# Altium PCB 2019.07.17.master.PcbDoc (part 6 of 6) (continued)
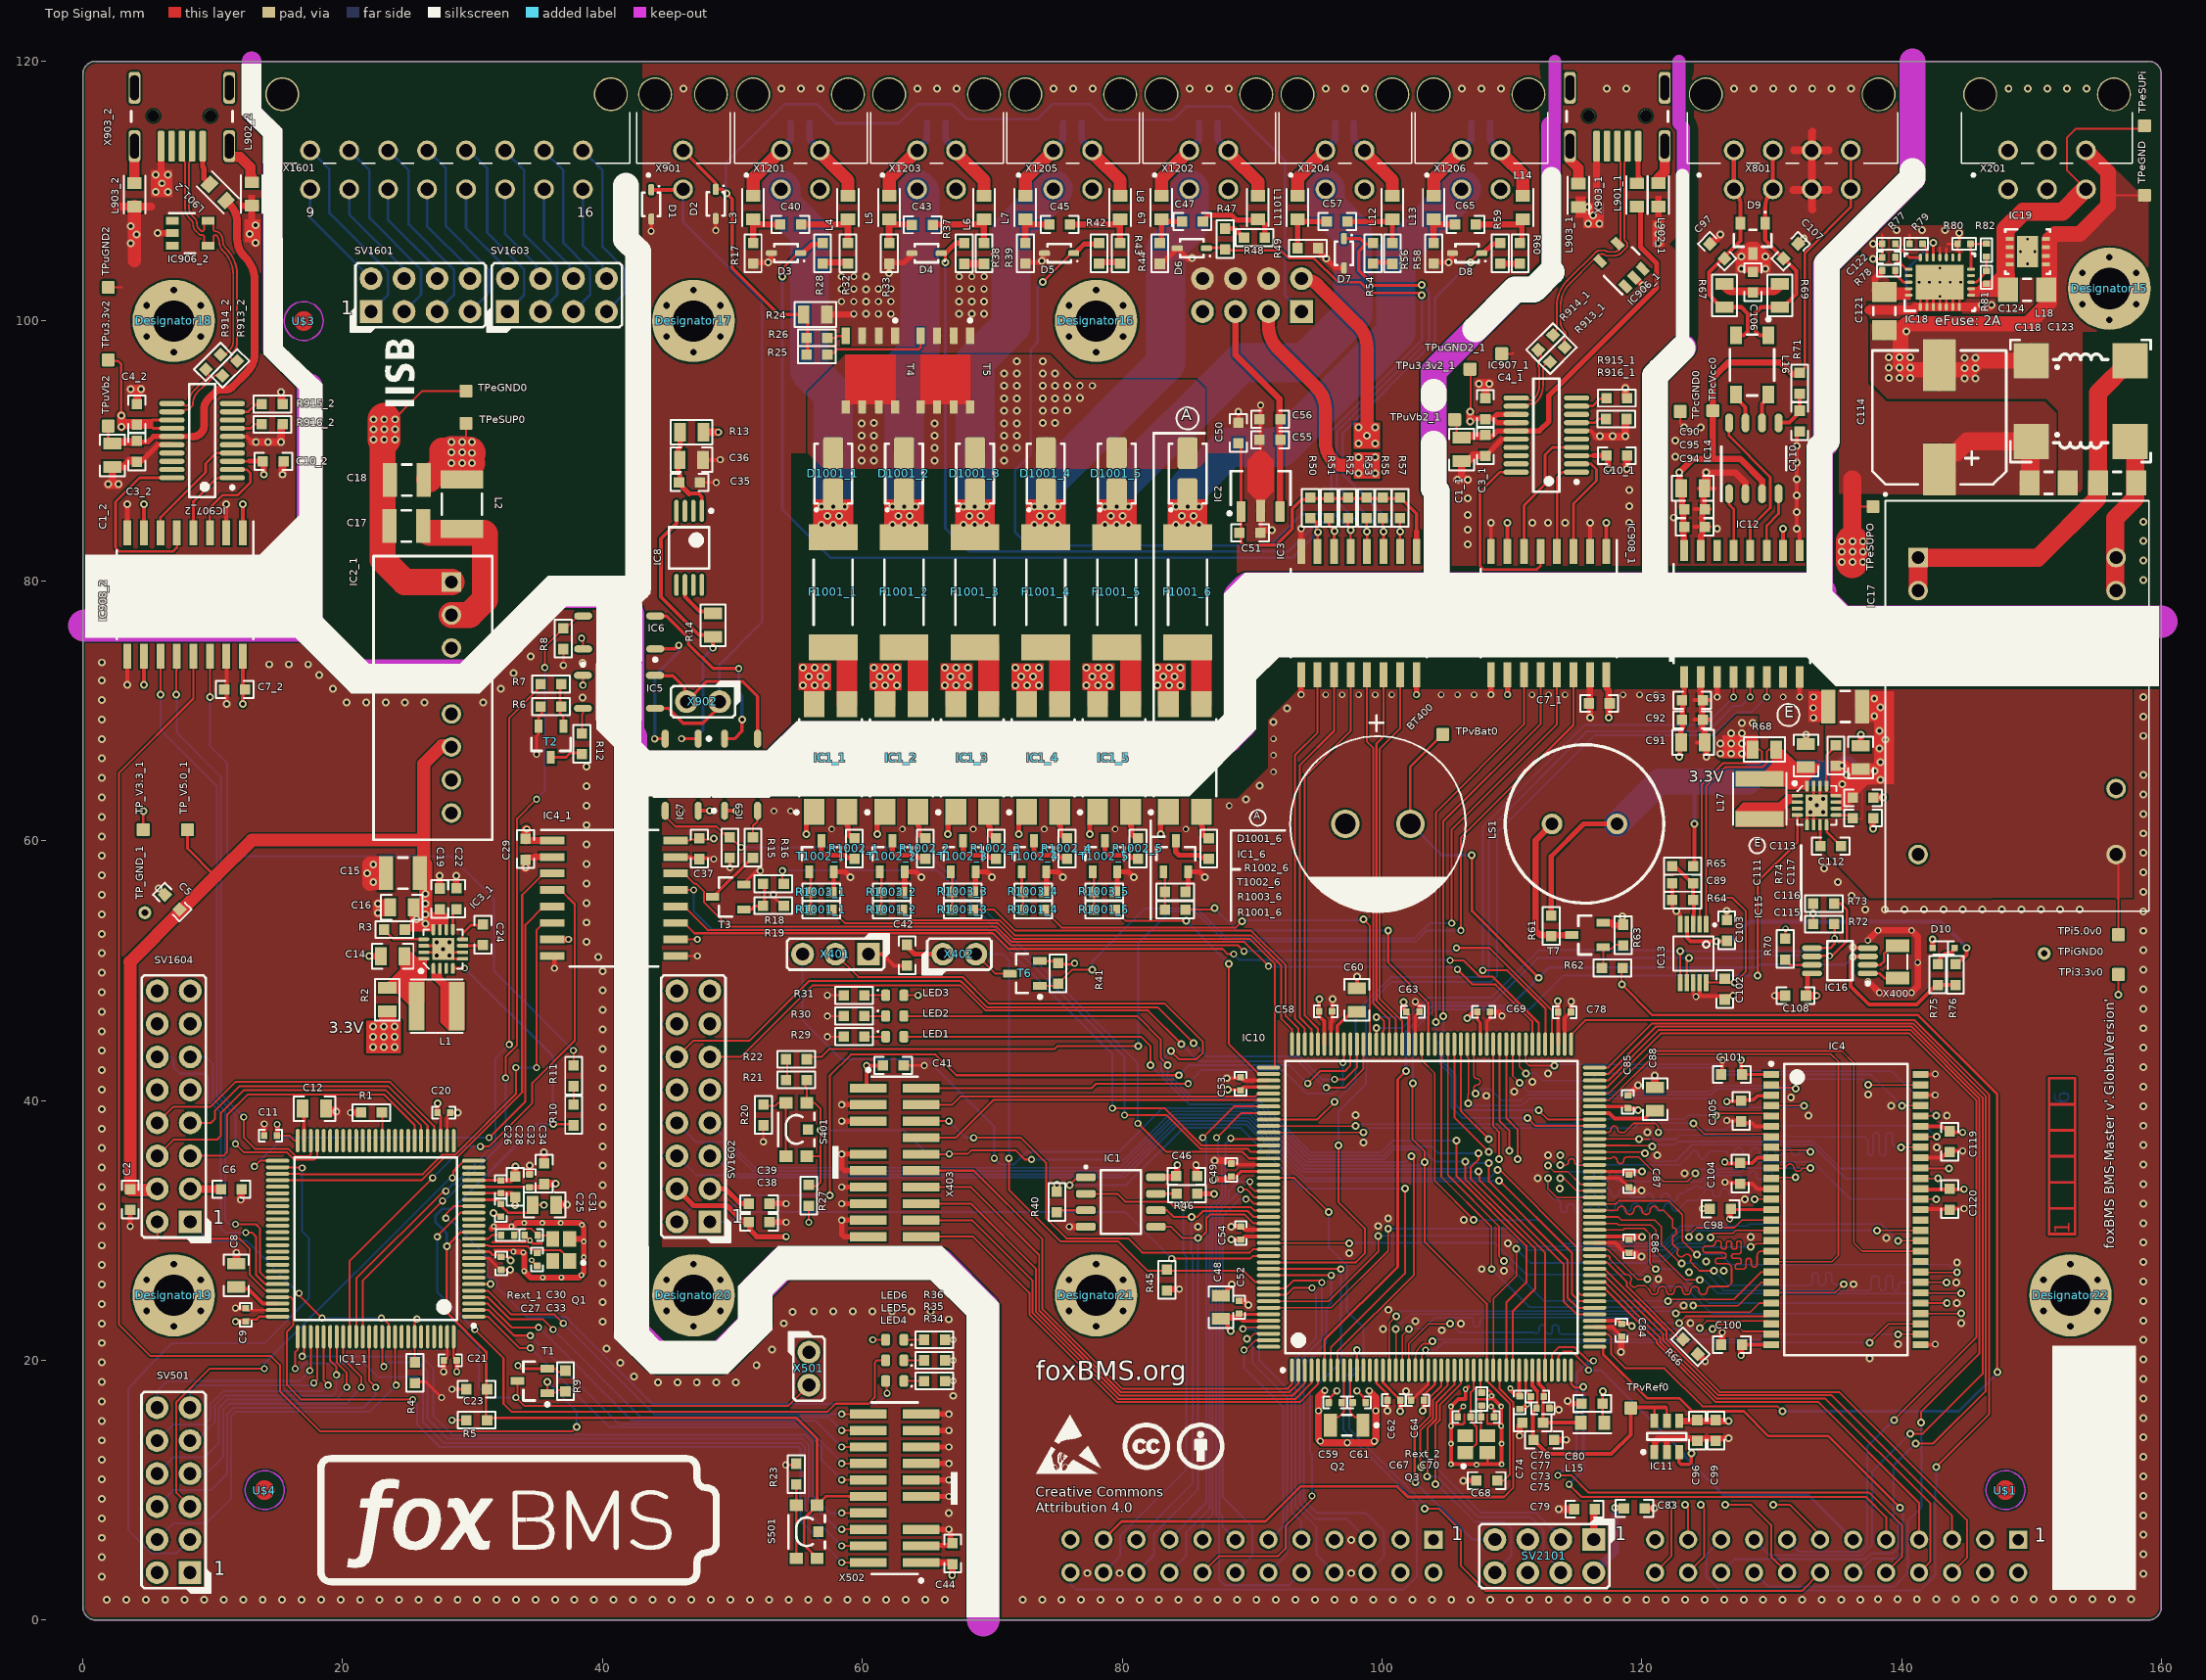
[diagram p0: Top Signal view]
## Polygon pours and split planes (outlines as drawn)
no net on Top Overlay (solid): 68 vertices, not listed, extent 0.051,0 160.02,120
no net on Top Overlay (solid): 6.731,-2.565
no net on Top Overlay "Polygon_42_NoNet" (solid): 33 vertices, not listed, extent 85.777,14.026 86.306,14.558
no net on Top Overlay "Polygon_41_NoNet" (solid): 17 vertices, not listed, extent 85.542,12.197 86.541,13.955
no net on Top Overlay "Polygon_40_NoNet" (solid): 133 vertices, not listed, extent 84.223,11.558 87.86,15.198
no net on Top Overlay "Polygon_39_NoNet" (solid): 59 vertices, not listed, extent 81.864,12.803 82.908,13.951
no net on Top Overlay "Polygon_38_NoNet" (solid): 58 vertices, not listed, extent 80.819,12.803 81.863,13.951
no net on Top Overlay "Polygon_37_NoNet" (solid): 134 vertices, not listed, extent 80.042,11.558 83.68,15.196
no net on Top Overlay "Polygon_29_NoNet" (solid, pour order 45): 151.613,21.107 158.02,21.107 158.02,2.337 151.613,2.337
no net on Top Overlay "Polygon_28_NoNet" (solid, pour order 34): 61 vertices, not listed, extent 20.346,3.984 24.37,10.877
no net on Top Overlay "Polygon_27_NoNet" (solid, pour order 33): 60 vertices, not listed, extent 23.907,5.376 27.558,9.399
no net on Top Overlay "Polygon_26_NoNet" (solid, pour order 31): 53 vertices, not listed, extent 27.543,5.385 31.57,9.399
no net on Top Overlay "Polygon_25_NoNet" (solid, pour order 23): 69 vertices, not listed, extent 33.094,5.428 36.309,9.964
no net on Top Overlay "Polygon_24_NoNet" (solid, pour order 25): 33 vertices, not listed, extent 37.239,5.402 41.248,9.99
no net on Top Overlay "Polygon_23_NoNet" (solid, pour order 18): 75 vertices, not listed, extent 42.158,5.39 45.314,10.002
no net on Top Overlay "Polygon_22_NoNet" (solid, pour order 42): 105 vertices, not listed, extent 18.061,2.69 49.021,12.687
no net on Top Overlay "Polygon_10_NoNet" (solid, pour order 5): 23.319,93.454 23.319,93.91 25.495,93.909 25.494,93.452
no net on Top Overlay "Polygon_9_NoNet" (solid, pour order 4): 23.319,94.434 23.319,94.874 25.495,94.874 25.492,94.435
no net on Top Overlay "Polygon_8_NoNet" (solid, pour order 8): 60 vertices, not listed, extent 23.283,95.321 25.53,96.695
no net on Top Overlay "Polygon_7_NoNet" (solid, pour order 10): 56 vertices, not listed, extent 23.314,97.109 25.494,98.608
GND_1 on Top Signal "GND_1_L01_P106" (solid, remove dead copper, pour order 106): 21 vertices, not listed, extent 0,0.051 69.367,78.773
CAN_GND_INT on Top Signal "CAN_GND_INT_L01_P102" (solid, remove dead copper, pour order 102): 17 vertices, not listed, extent 44.586,-1.168 160.147,71.628
USB_GND_1 on Top Signal "USB_GND_1_L01_P108" (solid, remove dead copper, pour order 108): 120.371,81.165 120.371,95.707 122.707,98.044 122.707,119.99 113.32,119.99 113.309,120 113.309,104.186 111.684,102.56 109.826,102.56 104.14,96.874 104.14,81.165
GND_EXT_2 on Top Signal "GND_EXT_2_L01_P110" (solid, remove dead copper, pour order 110): 112.849,120 112.849,105.304 103.657,96.113 103.657,81.483 102.565,80.391 88.84,80.391 88.84,89.84 54.508,89.84 54.508,77.978 54.508,68.882 52.637,67.01 43.257,67.01 43.104,67.163 43.104,119.939 43.129,119.964
+5.0V_0 on Top Signal "+5.0V_0_L01_P111" (solid, remove dead copper, pour order 111): 135.107,71.618 157.912,71.618 157.912,55.372 137.657,55.372 133.971,59.058 133.971,71.628
RTN_EXT_0 on Top Signal "Top Signal-RTN_EXT_0" (solid, remove dead copper, pour order 67): 25 vertices, not listed, extent 136.931,100.152 150.357,107.366
GND_EXT_0 on Top Signal "GND_EXT_0_L01_P113" (solid, remove dead copper, pour order 113): 23 vertices, not listed, extent 137.584,86.589 159,112.928
SUPPLY_EXT_0 on Top Signal "SUPPLY_EXT_0_L01_P065" (solid, pour order 65): 18 vertices, not listed, extent 135.198,86.563 151.907,105.07
CAN_GND on Top Signal "CAN_GND_L01_P109" (solid, remove dead copper, pour order 109): 121.539,81.153 121.539,95.72 123.723,97.904 123.723,114.783 123.038,115.468 123.038,119.304 123.774,120.04 139.903,120.04 139.903,111.577 136.347,108.021 133.274,104.947 133.274,81.153
USB_GND_2 on Top Signal "USB_GND_2_L01_P107" (solid, remove dead copper, pour order 107): 0.076,119.812 0.076,81.483 17,81.483 17,94.709 14.732,96.977 14.732,114.376 12.624,116.485 12.624,120
CAN_GND_INT on Top Signal "Polygon_3_Net_GND_0" (solid, remove dead copper, pour order 36): 131.185,63.745 136.944,63.745 136.944,61.637 131.185,61.637
+3.3V_0 on Top Signal "+3.3V_0_L01_P101" (solid, remove dead copper, pour order 101): 127.263,69.589 125.654,67.98 125.654,66.615 125.916,66.353 128.936,66.353 128.936,69.584
CONTACTORS_COMMON_NEG on Top Signal "CONTACTORS_COMMON_NEG_L01_P087" (solid, pour order 87): 58.674,97.402 55.79,94.517 55.79,89.84 56.984,88.646 85.852,88.646 86.385,89.179 86.385,94.787 85.675,95.497 76.334,95.497 74.429,97.402
GND_EXT_2 on Top Signal "GND_EXT_2_L01_P085" (solid, pour order 85): 59.944,99.238 57.937,101.244 57.937,103.886 69.926,103.886 69.926,100.33 68.834,99.238
GND_1 on Bottom Signal "GND_1_L06_P103" (solid, pour order 103): 20 vertices, not listed, extent -0.025,0 67.92,78.664
CAN_GND_INT on Bottom Signal "CAN_GND_INT_L06_P083" (solid, remove dead copper, pour order 83): 160.147,76.479 160.147,-1.168 70.764,-1.168 70.764,24.079 65.354,29.489 43.713,29.489 43.713,62.374 45.246,63.906 83.871,63.906 96.444,76.479
RTN_EXT_0 on Bottom Signal "Bottom Signal-RTN_EXT_0" (solid, pour order 69): 135.204,104.47 135.204,97.485 147.422,97.485 147.422,108.763 139.497,108.763
ZHS on Bottom Signal "Bottom Signal-ZHS" (solid, pour order 71): 147.448,108.763 159.791,108.763 159.791,97.485 147.448,97.485
GND_1 on Inner Signal "GND_1_L04_P097" (solid, pour order 97): 19 vertices, not listed, extent -0.025,-0.507 69.953,82.296
CAN_GND_INT on Inner Signal "Inner Signal-CAN_GND_INT" (solid, pour order 81): 20 vertices, not listed, extent 43.233,-1.168 160.147,72.898
NetC123_1 on Inner Signal "NETC123_1_L04_P093" (solid, pour order 93): 157.451,91.44 138.633,91.44 138.151,90.957 138.151,81.102 137.439,80.391 133.502,80.391 133.502,73.345 135.194,71.653 135.194,59.395 138.075,56.515 153.162,56.515 153.162,64.897 155.829,67.564 157.457,67.564
GND_EXT_2 on Inner Signal "GND_EXT_2_L04_P079" (solid, remove dead copper, pour order 79): 44.12,116.908 44.12,90.752 50.077,84.785 86.42,85.088 102.272,100.94 133.21,100.94 138.392,95.758 138.338,92.507 157.556,92.507 157.556,117.544
SUPPLY_EXT_0 on Inner Signal "SUPPLY_EXT_0_L04_P089" (solid, pour order 89): 28 vertices, not listed, extent 17.653,73.05 138.02,103.989
USB_GND_2 on Inner Signal "USB_GND_2_L04_P099" (solid, pour order 99): 0,120 0,83.388 14.58,83.388 16.688,85.496 16.688,94.082 14.046,96.723 14.046,114.275 12.573,115.748 12.573,119.939 12.497,120.015
+5.0V_0 on Inner Signal "Inner Signal-+5.0V_0" (solid, pour order 75): 18 vertices, not listed, extent 43.233,2.184 157.937,66.523
USB_GND_1 on Inner Signal "Inner Signal-USB_GND_1" (solid, pour order 55): 118.142,95.758 120.396,95.758 120.396,75.87 118.389,73.863 106.934,73.863 104.673,76.124 104.673,82.289 104.673,92.418 105.915,93.659 116.043,93.659
no net on Inner Signal "Inner Signal-No Net 1" (solid, pour order 95): 0.025,75.26
CAN_GND on Inner Signal "CAN_GND_L04_P053" (solid, pour order 53): 121.35,92.633 121.35,74.992 122.428,73.914 132.04,73.914 132.537,74.411 132.537,92.632
no net on Inner Signal "Inner Signal-No Net" (solid, pour order 73): 154.28,60.757
GND_1 on Top GND (split plane): 63 vertices, not listed, extent 0.601,0.601 68.865,78.568
CAN_GND_INT on Top GND (split plane): 52 vertices, not listed, extent 43.225,0.601 159.399,80.219
USB_GND_2 on Top GND (split plane): 41 vertices, not listed, extent 0.601,76.245 16.706,119.399
GND_EXT_0 on Top GND (split plane): 22 vertices, not listed, extent 17.698,73.375 41.839,98.324
CONTACTORS_COMMON_NEG on Top GND (split plane): 42 vertices, not listed, extent 42.844,67.431 112.603,119.398
CAN_GND on Top GND (split plane): 27 vertices, not listed, extent 121.432,81.21 143.851,119.398
GND_EXT_0 on Top GND (split plane): 32 vertices, not listed, extent 133.474,78.023 159.398,106.047
USB_GND_1 on Top GND (split plane): 17 vertices, not listed, extent 104.719,81.224 122.586,119.398
RTN_EXT_0 on Top GND (split plane): 147.627,101.448 147.627,99.439 134.451,99.439 134.451,101.331 143.027,109.906 144.353,111.232 147.627,111.232
ZHS on Top GND (split plane): 39 vertices, not listed, extent 148.131,101.7 159.399,119.399
+3.3V_1 on Inner PWR (split plane): 52 vertices, not listed, extent 2.502,2.502 69.576,82.225
+3.3V_0 on Inner PWR (split plane): 63 vertices, not listed, extent 43.555,2.502 157.435,72.905
USB_GND_2 on Inner PWR (split plane): 13.95,96.882 13.96,96.784 13.988,96.689 14.035,96.603 14.097,96.526 14.576,96.048 12.781,94.254 3.612,94.254 2.502,95.364 2.502,116.727 3.078,117.303 13.95,117.303
SUPPLY_EXT_0 on Inner PWR (split plane): 18 vertices, not listed, extent 17.673,73.045 43.109,95.234
USB_+3.3V_2 on Inner PWR (split plane): 17 vertices, not listed, extent 2.502,83.23 16.668,95.273
NetC123_2 on Inner PWR (split plane): 157.435,57.206 156.688,56.459 154.172,56.459 154.172,64.435 156.215,66.477 157.435,66.477
NetC123_2 on Inner PWR (split plane): 33 vertices, not listed, extent 133.539,56.459 157.435,91.42
USB_+3.3V_1 on Inner PWR (split plane): 120.452,94.134 120.452,75.468 118.894,73.91 106.302,73.91 104.744,75.468 104.744,92.451 105.72,93.427 115.915,93.427 116.013,93.436 116.107,93.465 116.194,93.511 116.27,93.574 118.06,95.364 119.222,95.364
CAN_VCC on Inner PWR (split plane): 132.543,91.714 132.543,74.992 131.461,73.91 123.015,73.91 121.457,75.468 121.457,90.749 123.297,92.589 131.669,92.589
SUPPLY_EXT_2 on Inner PWR (split plane): 46 vertices, not listed, extent 44.114,65.196 157.435,117.303
GND_1 on Bottom GND (split plane): 61 vertices, not listed, extent 0.601,0.601 67.925,77.577
USB_GND_2 on Bottom GND (split plane): 27 vertices, not listed, extent 0.601,75.332 17.684,119.399
CAN_GND_INT on Bottom GND (split plane): 66 vertices, not listed, extent 42.26,0.601 159.399,76.774
GND_EXT_0 on Bottom GND (split plane): 77 vertices, not listed, extent 18.689,66.796 146.106,99.37
GND_EXT_2 on Bottom GND (split plane): 55 vertices, not listed, extent 42.87,77.769 159.399,119.399

## Keep-outs
Top Signal:
  lines w1: 113.309,115.334 113.309,120 ; 122.86,119.99 122.86,115.214 123.202,114.873 123.202,97.98
  lines w1.5: 13.005,120 13.005,116.103 14.612,114.496 14.612,97.8 17.45,94.963 ; 113.018,103.747 113.018,115.042
  lines w2: 17.45,76.556 17.45,94.963 ; 103.971,87.117 103.971,96.12 110.264,102.413 111.684,102.413 113.018,103.747 ; 104.242,79.424 104.242,86.846 ; 121.032,80.035 121.032,95.81 123.202,97.98 ; 133.721,79.108 133.721,90.146 134.188,90.612 134.188,102.799 134.188,104.327 139.351,109.49 140.848,110.987 140.848,119.99
  lines w2.5: 0.127,76.556 17.45,76.556 ; 17.45,76.429 21.184,72.695 29.896,72.695 36.347,79.146 40.259,79.146 41.986,77.419 41.986,68.174 42.189,67.97 42.189,22.276 44.262,20.203 49.133,20.203 51.806,22.876 51.806,25.365 53.899,27.457 65.832,27.457 69.317,23.973 69.317,0 ; 42.201,65.698 53.162,65.698 55.434,67.97 88.045,67.97 89.062,68.987 89.062,78.775 89.711,79.424 132.826,79.424 135.389,76.86 160,76.86 ; 133.431,78.818 133.721,79.108
Inner Signal:
  lines w1: 0.025,82.855 14.499,82.855 ; 17.196,85.674 17.196,85.552 14.499,82.855 ; 43.596,64.644 83.576,64.644 92.29,73.358 133.03,73.358 ; 70.063,-0.05 70.063,21.69 66.708,25.045 52.881,25.045 51.216,23.381 51.216,22.327 49.641,20.753 44.003,20.753 43.037,21.718 43.037,61.901 43.596,62.459 43.596,78.334 42.86,79.07 37.16,79.07 30.683,72.593 24.761,72.593 17.196,80.158 ; 103.149,73.951 105.291,73.951 ; 104.191,73.459 104.191,92.71 105.461,93.98 115.864,93.98 117.801,95.917 119.379,95.917 120.904,94.393 ; 106.022,73.48 104.191,75.311 102.338,73.459 132.994,73.459 132.994,91.973 131.826,93.142 123.038,93.142 ; 119.171,73.578 120.904,75.311 122.756,73.459 ; 119.735,73.961 121.771,73.961 ; 120.904,73.459 120.904,94.393 ; 120.904,91.008 123.038,93.142 ; 131.618,73.459 132.969,74.81 ; 132.715,73.457 132.715,73.431 134.63,71.451 134.63,59.208 137.907,55.931 152.679,55.931 153.721,56.972 153.721,64.719 156.058,67.056 159.995,67.056 ; 132.994,79.79 138.034,79.79 138.546,80.301 138.546,94.968 132.93,100.584 124.257,100.584 120.938,103.903 115.249,103.903 113.962,102.616 105.766,102.616 103.734,100.584 102.29,100.584 100.33,100.584 90.093,90.347 90.093,88.387 86.027,84.322 49.511,84.322 38.1,95.733 18.618,95.733 17.196,94.31 17.196,80.158 ; 14.499,82.855 17.196,80.158 ; 120.904,94.393 122.155,93.142 123.038,93.142
  lines w1.2: 121.267,92.732 122.123,92.732
Bottom Signal:
  lines w1: 13.383,120 13.383,115.014 15.291,113.106
  lines w2: 15.291,97.155 15.291,113.106
  lines w2.5: 0,75.413 18.106,75.413 21.002,72.517 30.324,72.517 36.445,78.638 40.615,78.638 41.199,78.054 41.199,66.142 ; 15.291,97.155 18.288,94.158 18.288,75.387 ; 69.139,0.356 69.139,23.901 66.218,26.822 54.025,26.822 52.248,25.045 52.248,22.388 49.847,19.988 43.589,19.988 41.732,21.844 41.732,51.359 41.732,65.876 53.227,65.876 55.372,68.021 86.766,68.021 90.684,71.938 90.684,72.726 92.431,74.473 138.193,74.473 140.327,76.606 160,76.606
Keep-Out Layer:
  the board outline again, w0

## Other copper
Top Signal:
  region net USB_GND_2: 12.18,109.12 12.18,108.607 13.555,108.607 13.555,109.12
  region net USB_GND_2: 13.246,109.703 12.733,109.703 12.733,107.437 13.246,107.437
  rectangle net USB_GND_1: 114.878,107.956 115.67,109.606
  rectangle net USB_GND_1: 121.032,107.987 121.545,109.637
  rectangle net SUPPLY_EXT_0: 139.174,101.613 140.73,102.563
  rectangle net SUPPLY_EXT_0: 138.702,101.608 139.649,102.895
  rectangle net CONTACTOR_5_COIL_POS: 83.505,84.248 86.575,86.28
  rectangle net CONTACTOR_4_COIL_POS: 78.049,84.248 81.119,86.28
  rectangle net CONTACTOR_3_COIL_POS: 72.593,84.248 75.663,86.28
  rectangle net CONTACTOR_2_COIL_POS: 67.137,84.248 70.207,86.28
  rectangle net CONTACTOR_1_COIL_POS: 61.68,84.248 64.75,86.28
  rectangle net SUPPLY_EXT_2: 82.388,71.577 84.884,73.664
  rectangle net SUPPLY_EXT_2: 76.931,71.577 79.427,73.664
  rectangle net SUPPLY_EXT_2: 71.475,71.577 73.971,73.664
  rectangle net SUPPLY_EXT_2: 66.019,71.577 68.515,73.664
  rectangle net SUPPLY_EXT_2: 60.563,71.577 63.059,73.664
  rectangle net +5.0V_0: 137.903,64.348 139.446,69.472
  rectangle net +5.0V_0: 136.84,64.881 139.251,65.841
  rectangle net GND_EXT_0: 97.815,90.146 99.854,92.178
  rectangle net SUPPLY_EXT_0: 97.815,87.849 99.854,89.881
  rectangle net USB_GND_2: 5.243,109.525 6.887,111.623
  rectangle net USB_GND_2: 12.448,106.054 13.672,107.834
  rectangle net USB_GND_1: 120.819,105.732 121.77,107.772
  rectangle net +5.0V_0: 137.036,69.139 139.446,71.501
  rectangle net GND_1: 21.904,56.202 23.128,58.801
  rectangle net GND_1: 22.705,54.171 23.435,55.474
  rectangle net +3.3V_1: 21.819,43.631 24.485,46.158
  rectangle net +3.3V_0: 126.187,66.353 128.936,68.123
  rectangle net CAN_GND_INT: 132.817,69.139 134.214,71.501
  rectangle net USB_+3.3V_2: 2.616,91.719 5.41,92.456
  rectangle net USB_GND_1: 115.507,107.14 117.085,109.111
  rectangle net CONTACTOR_0_COIL_POS: 56.224,84.248 59.294,86.28
  rectangle net SUPPLY_EXT_2: 55.107,71.577 57.603,73.664
  rectangle net +3.3V_1: 22.785,45.356 24.095,47.276
  region net +3.3V_0: 126.187,67.663 126.187,66.353 128.905,66.353 128.905,67.663
  region net SUPPLY_EXT_0_IN: 145.17,102.612 145.17,101.872 148.027,101.872 148.704,102.549 148.704,103.667 147.296,103.667 146.745,103.116 146.312,103.116 145.808,102.612
  pour cut-out: 106.08,17.297 105.684,17.297 104.95,16.563 104.95,11.627 109.573,11.627 109.573,16.682 108.861,17.394 108.861,17.761 108.27,18.352 108.27,20.084 108.144,20.211 106.044,20.211
  pour cut-out: 96.393,20.041 96.393,18.304 96.356,18.267 95.598,18.267 94.667,17.337 94.667,13.752 95.208,13.211 99.491,13.211 99.955,13.675 99.955,17.314 98.933,18.336 98.284,18.336 98.284,20.089
  pour cut-out: 29.261,29.845 30.806,29.845 30.907,29.946 30.907,30.118 31.421,30.632 32.982,30.632 33.267,30.917 38.397,30.917 38.913,30.402 38.913,26.544 38.327,25.959 34.228,25.959 33.45,26.737 33.167,26.737 31.469,28.435 29.376,28.435 29.3,28.511
  region net CAN_GND: 128.168,106.096 128.905,106.096 129.901,105.1 129.901,103.759 127.231,103.759 127.231,105.158
  pour cut-out: 134.662,62.831 135.432,62.831 135.432,62.586 134.662,62.586
  pour cut-out: 134.662,63.339 135.432,63.339 135.432,63.094 134.662,63.094
  region net +3.3V_1_IN: 26.405,51.016 25.705,51.016 24.965,51.756 24.555,51.756 24.425,51.626 24.425,50.076 23.435,49.086 23.435,48.566 23.785,48.216 24.215,48.216 25.175,47.256 25.935,47.256 26.285,47.606 26.284,49.206 26.485,49.406 26.485,50.936
  region net NetIC3_1_1: 26.845,49.756 26.845,49.426 27.525,48.746 27.525,46.006 28.125,45.406 29.385,45.406 29.385,49.116 29.345,49.156 28.025,49.156 27.625,49.562 27.625,49.756
  region net +5.0V_1: 28.125,54.195 27.843,54.476 26.869,54.476 26.869,55.306 25.174,55.306 25.175,53.602 24.939,53.366 24.939,53.151 25.085,53.006 26.71,53.006 26.845,53.006 26.845,53.556 28.125,53.556
  region net +5.0V_0: 136.246,63.02 136.246,63.424 136.474,63.424 137.388,64.338 138.098,64.338 138.098,65.953 135.98,65.953 135.835,66.154 134.544,66.154 134.544,63.463 135.371,63.463 135.371,62.357 135.611,62.357
  region net NetIC15_1: 131.571,63.583 131.221,63.583 130.561,62.923 127.821,62.923 127.221,62.323 127.221,61.063 130.931,61.063 130.971,61.103 130.971,62.423 131.571,63.023
  region net +3.3V_0_IN: 132.831,64.043 132.831,64.596 133.721,65.486 133.721,65.938 131.976,65.938 130.901,67.013 130.381,67.013 130.031,66.663 130.031,65.919 129.071,64.959 129.071,64.513 129.421,64.163 131.021,64.163 131.221,63.963 132.751,63.963
  text "1" at 153.349,29.708 h2 r90
Inner Signal:
  text "4" at 153.349,35.708 h2 r90
Bottom Signal:
  text "6" at 153.349,39.708 h2 r90
Top GND (plane layer: these items are gaps in the copper):
  rectangle: 144.399,111.836 152.578,120
  region: 12.979,120 12.979,115.951 14.456,114.474 14.456,97.484 17.146,94.794 20.676,98.324 42.342,98.324 42.531,99.72 42.531,119.801 42.342,119.99
  region: 53.934,28.646 42.921,28.646 42.723,28.448 42.723,22.149 44.018,20.853 49.608,20.853 51.283,22.528 51.283,26.475
  region: 15.621,75.26 18.263,75.26 18.339,75.336 17.196,76.479 17.196,76.53
  lines w0.25: 29.312,28.575 31.249,28.575 31.681,28.143 33.528,28.143 33.63,28.042 33.63,26.72 34.265,26.086 38.43,26.086 38.913,26.568 38.913,30.435 38.41,30.937 33.222,30.937 32.954,30.669 31.477,30.669 31.09,30.282 31.09,29.82 30.912,29.642 29.312,29.642 ; 137.084,49.403 137.084,49.047 138.125,48.006 140.919,48.006 141.58,48.666 141.58,52.756 140.919,53.416 137.973,53.416 136.982,52.426 136.982,50.902 137.084,50.8
  lines w0.4: 96.571,19.939 96.571,18.11 95.415,18.11 94.615,17.31 94.615,13.716 95.12,13.211 99.503,13.211 100.041,13.749 100.041,17.333 99.263,18.11 98.069,18.11 98.069,19.99 ; 106.553,19.99 106.553,17.362 105.678,17.362 105.172,16.856 104.953,16.637 104.953,14.82 104.953,11.691 109.549,11.691 109.549,16.856 108.245,18.161 108.052,18.161 108.052,19.99
  lines w0.5: 133.96,99.187 146.266,99.187 147.879,99.187 147.879,101.448 ; 152.45,111.735 147.879,111.735 147.879,101.448 ; 159.822,101.448 159.913,101.539 ; 159.995,106.299 154,106.299 152.349,104.648 152.349,101.666 152.131,101.448 147.879,101.448
  lines w1: 0,74.625 0.083,74.625 1.2,75.743 ; 0.263,83.76 0.263,76.68 1.2,75.743 ; 14.453,120 14.554,120 12.979,120 12.979,115.951 14.554,114.376 14.554,96.96 16.971,94.543 20.231,97.803 ; 17.196,80.162 17.196,94.767 21.311,98.882 41.504,98.882 42.342,99.72 42.342,119.99 ; 17.209,78.688 17.209,76.735 ; 17.209,80.15 17.209,76.735 ; 42.342,100 42.342,76.039 42.531,75.85 ; 42.723,63.734 42.723,75.439 42.22,75.941 42.22,78.455 41.605,79.07 39.311,79.07 36.474,79.07 30.277,72.873 21.071,72.873 17.209,76.735 ; 68.377,0 69.367,0 69.367,24.917 66.142,28.143 53.645,28.143 53.544,28.042 ; 104.216,80.721 104.216,95.225 113.106,104.114 113.106,120 ; 120.929,80.721 120.929,95.58 123.088,97.739 123.088,120 ; 132.971,80.109 132.971,88.081 133.949,89.059 133.949,101.539 142.672,110.261 144.145,111.735 152.095,111.735 152.677,112.316 152.677,120 ; 144.353,111.735 144.353,120 ; 160,77.521 135.56,77.521 132.359,80.721 90.157,80.721 88.448,79.012 88.448,70.22 86.91,68.682 73.298,68.682 55.251,68.682 53.499,66.929 42.723,66.929 42.723,22.149 44.018,20.853 49.7,20.853 51.283,22.436 51.283,25.781 53.543,28.042 ; 1.2,75.743 16.216,75.743 17.209,76.735 ; 53.543,28.042 53.544,28.042
  lines w1.2: 0,1 ccw(c1,1) 1,0 159,0 ccw(c159,1) 160,1 160,119 ccw(c159,119) 159,120 1,120 ccw(c1,119) 0,119 0,1
  text "2" at 153.349,31.708 h2 r90
Inner PWR (plane layer: these items are gaps in the copper):
  region: 14.453,120 14.453,96.882 15.526,95.809 39.903,95.809 43.485,99.39 43.485,120
  region: 45.593,65.075 43.84,66.827 43.637,66.827 43.637,64.567 43.612,64.541
  region: 45.669,64.338 44.049,62.718 43.612,62.718 43.612,64.236 43.433,64.414
  region: 2.057,95.809 4.166,93.701 4.166,93.65 1.727,93.65 1.6,93.523
  region: 1.295,85.42 1.549,85.42 4.242,82.728 4.064,82.55 1.194,82.55
  region: 4.242,82.728 1.778,80.264 1.549,80.264 1.549,82.47 1.295,82.724
  region: 133.045,91.923 135.763,91.923 135.814,91.872 133.299,89.357 132.969,89.357
  region: 155.346,91.948 158.521,88.773 158.699,88.773 158.699,91.745 158.521,91.923
  region: 153.911,55.931 158.737,51.105 158.979,51.105 158.979,55.88 158.496,56.363 157.094,56.363 156.688,55.956
  region: 70.079,4.877 66.192,0.991 74.498,0.991 74.625,1.118 73.812,1.118 70.079,4.851
  region: 43.586,81.661 40.919,78.994 43.358,76.556 43.612,76.556
  region: 17.043,84.988 17.043,80.459 16.962,80.378 14.612,82.728
  region: 39.376,95.234 43.323,91.288 43.485,91.288 43.485,100
  lines w1: 14.453,120 14.453,96.882 17.17,94.164 ; 14.612,82.728 24.798,72.542 30.734,72.542 37.186,78.994 43.433,78.994 ; 15.26,96.022 12.99,93.751 2.819,93.751 2.007,92.939 0.263,92.939 0.263,83.76 1.295,82.728 14.676,82.728 17.17,85.222 ; 15.486,95.699 18.705,95.699 ; 17.17,95.449 17.17,94.164 ; 17.2,80.141 17.17,80.17 17.17,85.222 ; 49.911,117.805 43.612,117.805 43.612,100.127 ; 70.079,0 70.079,21.74 66.818,25 52.801,25 51.232,23.431 51.232,22.377 49.657,20.803 44.018,20.803 43.053,21.768 43.053,61.951 43.612,62.509 43.612,78.994 ; 102.389,73.408 104.242,75.26 106.072,73.429 ; 103.2,73.901 105.342,73.901 ; 104.242,73.408 104.242,92.659 105.512,93.929 115.915,93.929 117.852,95.866 119.43,95.866 120.955,94.342 ; 119.222,73.528 120.955,75.26 122.807,73.408 ; 119.785,73.91 121.822,73.91 ; 120.955,73.408 120.955,94.342 ; 120.955,90.957 123.088,93.091 ; 131.669,73.408 133.02,74.759 ; 132.766,73.406 132.766,73.381 134.645,71.501 134.645,59.258 137.947,55.956 156.896,55.956 157.937,56.998 ; 154.153,55.931 153.67,55.931 153.67,64.643 156.007,66.98 160,66.98 ; 157.912,77.546 157.912,77.699 ; 159.715,91.923 133.045,91.923 ; 17.17,85.222 17.17,94.164 ; 17.17,94.164 18.705,95.699 ; 18.705,95.699 39.184,95.699 43.612,100.127 ; 43.612,78.994 43.612,100.127 ; 43.612,78.994 43.612,64.694 83.591,64.694 92.305,73.408 133.045,73.408 133.045,91.923 ; 120.955,94.342 122.206,93.091 123.088,93.091 ; 123.088,93.091 131.877,93.091 133.045,91.923 ; 157.937,56.998 157.937,2.794 157.099,1.956 2.845,1.956 1.854,2.946 1.854,116.789 2.87,117.805 156.845,117.805 157.937,116.713 157.937,69.291 157.937,56.998
  lines w1.2: 121.318,92.681 122.174,92.681
  lines w5: 0,1 ccw(c1,1) 1,0 159,0 ccw(c159,1) 160,1 160,119 ccw(c159,119) 159,120 1,120 ccw(c1,119) 0,119 0,1
  text "2" at 153.349,33.708 h2 r90
Bottom GND (plane layer: these items are gaps in the copper):
  region: 146.482,82.626 140.894,77.038 141.158,76.774 152.578,76.774
  region: 13.005,120 13.005,115.951 14.612,114.343 14.612,96.995 18.605,93.002 20.801,95.198 43.383,95.198 43.383,106.528 42.367,107.544 42.367,120
  lines w1: 0.025,75.413 0.025,74.83 17.728,74.83 20.65,71.907 30.683,71.907 36.855,78.08 41.173,78.08 41.173,66.98 41.758,66.396 ; 13.005,120 13.005,115.951 14.612,114.343 14.612,96.919 18.186,93.345 18.186,74.578 ; 41.738,21.686 43.536,19.888 50.101,19.888 52.273,22.06 52.273,25.032 54.013,26.772 65.253,26.772 68.428,23.597 68.428,0.102 68.326,0 ; 41.849,21.575 41.758,21.666 41.758,66.294 52.658,66.294 54.287,67.923 55.122,68.758 87.337,68.758 90.666,72.087 90.666,72.912 92.202,74.447 104.191,74.447 138.303,74.447 146.609,82.753 ; 42.367,107.437 42.367,120 ; 42.367,107.544 43.307,106.604 43.307,91.262 51.841,82.728 90.78,82.728 94.64,82.728 96.799,84.887 96.799,91.973 97.79,92.964 103.759,92.964 122.225,92.964 129.515,92.964 133.833,97.282 136.423,99.873 146.202,99.873 146.609,99.466 146.609,82.753 ; 159.995,77.267 152.095,77.267 146.609,82.753
  lines w1.2: 0,1 ccw(c1,1) 1,0 159,0 ccw(c159,1) 160,1 160,119 ccw(c159,119) 159,120 1,120 ccw(c1,119) 0,119 0,1
  text "5" at 153.349,37.708 h2 r90
Multi-Layer:
  lines w0.2: 151.349,31.703 153.314,31.703 ; 151.349,33.684 153.349,33.684 ; 151.349,35.708 153.349,35.708 ; 151.349,37.697 153.349,37.697 ; 151.349,39.704 153.349,39.704 ; 151.349,29.708 151.349,41.708 153.349,41.708 153.349,29.708 151.349,29.708

## Silkscreen, mask and mechanical layers (free items; w line width, h text height)
Top Overlay:
  drawing of 48 lines, arcs and shapes, not listed
  text "9" at 17.196,107.747 h1.27
  text "16" at 38.024,107.747 h1.27
  text "1" at 19.863,100.127 h1.8
  text "eFuse: 2A" at 142.57,99.414 h1.27
  text "A" at 84.55,92.08 h1.5
  text "E" at 130.963,69.202 h1.5
  text "3.3V" at 123.637,64.213 h1.5
  text "A" at 90.12,61.432 h1
  text "E" at 128.654,59.302 h1
  text "3.3V" at 18.948,44.882 h1.5
  text "1" at 49.936,30.201 h1.8
  text "1" at 9.982,30.099 h1.8
  text "foxBMS BMS-Master v'.GlobalVersion'" at 156.616,28.55 h1.27 r90
  text "foxBMS.org" at 73.355,17.983 h2.54
  text "Creative Commons" at 73.355,9.249 h1.27
  text "Attribution 4.0" at 73.355,8.029 h1.27
  text "1" at 105.343,5.766 h1.8
  text "1" at 117.935,5.766 h1.8
  text "1" at 150.216,5.664 h1.8
  text "1" at 10.084,3.099 h1.8
Top Solder:
  circle w0.6: c17,100 r1.333
  circle w0.6: c148,10 r1.333
  rectangle: 122.758,52.857 125.171,54.28
  rectangle: 122.758,48.362 125.171,49.759
  rectangle: 25.781,50.749 26.67,52.553
  region: 28.641,49.682 28.641,50.591 26.838,50.591 26.838,49.682
  region: 26.828,53.609 26.828,52.72 28.631,52.72 28.631,53.609
  region: 29.688,52.412 28.799,52.412 28.799,50.609 29.688,50.609
  region: 16.383,22.662 16.383,20.938 28.689,20.938 28.689,22.662
  region: 15.85,35.513 14.127,35.513 14.127,23.207 15.85,23.207
  region: 28.702,36.046 28.702,37.769 16.396,37.769 16.396,36.046
  rectangle: 29.235,23.194 30.958,35.5
  region: 92.918,20.11 92.918,18.36 114.718,18.36 114.718,20.11
  region: 92.152,42.686 90.402,42.686 90.402,20.886 92.152,20.886
  region: 114.727,43.457 114.727,45.208 92.927,45.208 92.927,43.457
  rectangle: 115.496,20.879 117.246,42.679
Dimension:
  the board outline again, w0
Mechanical 2:
  text "Do NOT mill isolation meander." at 41.783,24.892 h1.52 r90
Descript:
  lines w0: 2,20 2,120 ; 52,20 52,120 ; 73,0 73,120 ; 158,0 158,120
  lines w0.254: 135.004,4.004 135.012,4.012

## Dimensions
62.5,19.988 to 62.706,120 on Mechanical 16
62.5,46.499 to 60.642,120 on Mechanical 16
62.5,18.4 to 0,17.924 on Mechanical 16
52,120 to 28,117.46 on Mechanical 16
0,119 to 151.13,117.46 on Mechanical 16
0,119 to 139.065,117.46 on Mechanical 16
0,119 to 128.588,117.46 on Mechanical 16
0,119 to 118.11,115.238 on Mechanical 16
0,119 to 107.632,117.46 on Mechanical 16
0,119 to 97.155,117.46 on Mechanical 16
0,119 to 86.677,117.46 on Mechanical 16
0,119 to 76.2,117.46 on Mechanical 16
0,119 to 65.722,117.46 on Mechanical 16
0,119 to 55.245,117.46 on Mechanical 16
0,119 to 46.2,117.46 on Mechanical 16
0,119 to 7.5,115.555 on Mechanical 16
160,119 to 137.65,84.44 on Mechanical 16
157.956,120 to 152.559,87.25 on Mechanical 16
157.956,120 to 150.654,54.75 on Mechanical 16
1,120 to 26.511,60.2 on Mechanical 16
52,120 to 22.4,80.948 on Mechanical 16
52,120 to 31.6,81.265 on Mechanical 16
158,0 to 90,4 on Mechanical 16
158,0 to 112.5,4 on Mechanical 16
158,0 to 135,4 on Mechanical 16
160,120 to 90,4 on Mechanical 16
0,120 to 26.035,82 on Mechanical 16
2,20 to 47,37 on Mechanical 16
0,120 to 7,39.54 on Mechanical 16
2,20 to 7,37 on Mechanical 16
0,120 to 26,102 on Mechanical 16
2,20 to 153,25.068 on Mechanical 16
2,20 to 78,25.068 on Mechanical 16
0,120 to 6.032,117.46 on Mechanical 16
52,120 to 26,102 on Mechanical 16
52,120 to 36.5,102 on Mechanical 16
2,20 to 52,31.1 on Mechanical 16
0,120 to 2,123.81 on Mechanical 16
0,120 to 6.985,25 on Mechanical 16
0,120 to 6.985,99.998 on Mechanical 16
0.953,120.044 to 0.953,0.044 on Mechanical 16
2,120 to 158,120 on Mechanical 16
0,120 to 160,120 on Mechanical 16